# KiCad board reg.kicad_pcb
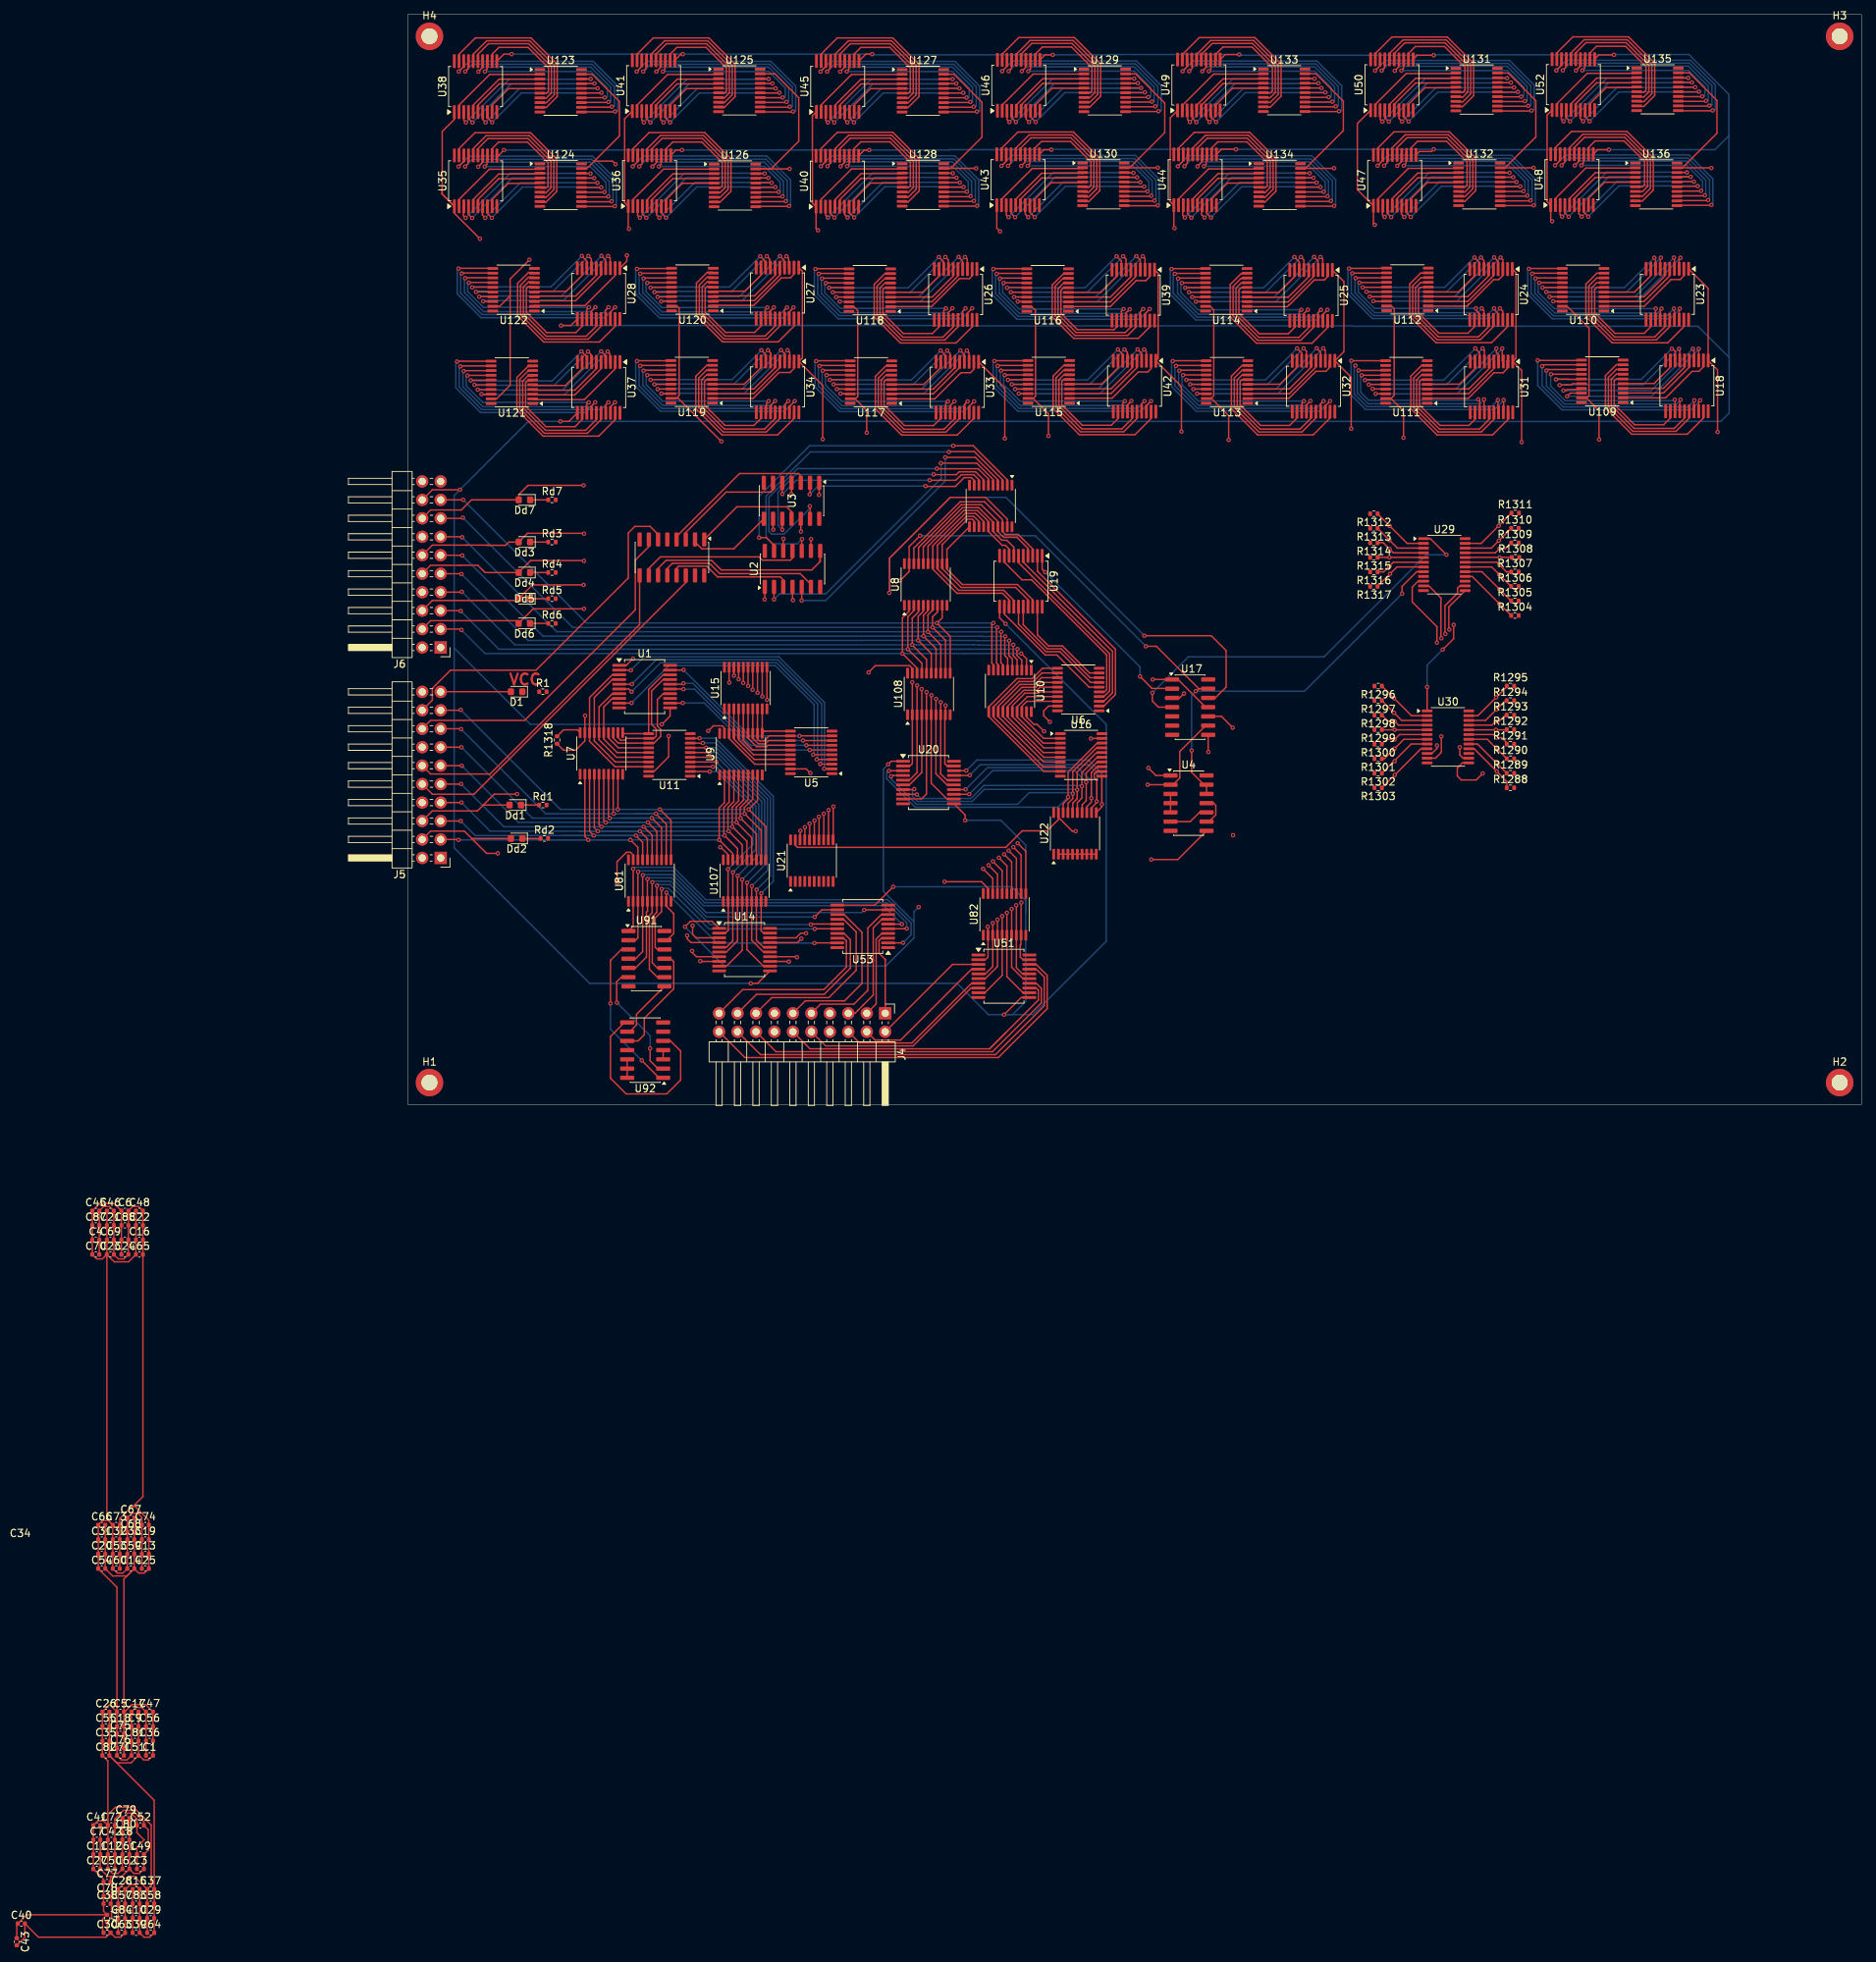
[diagram p0: board, top side]
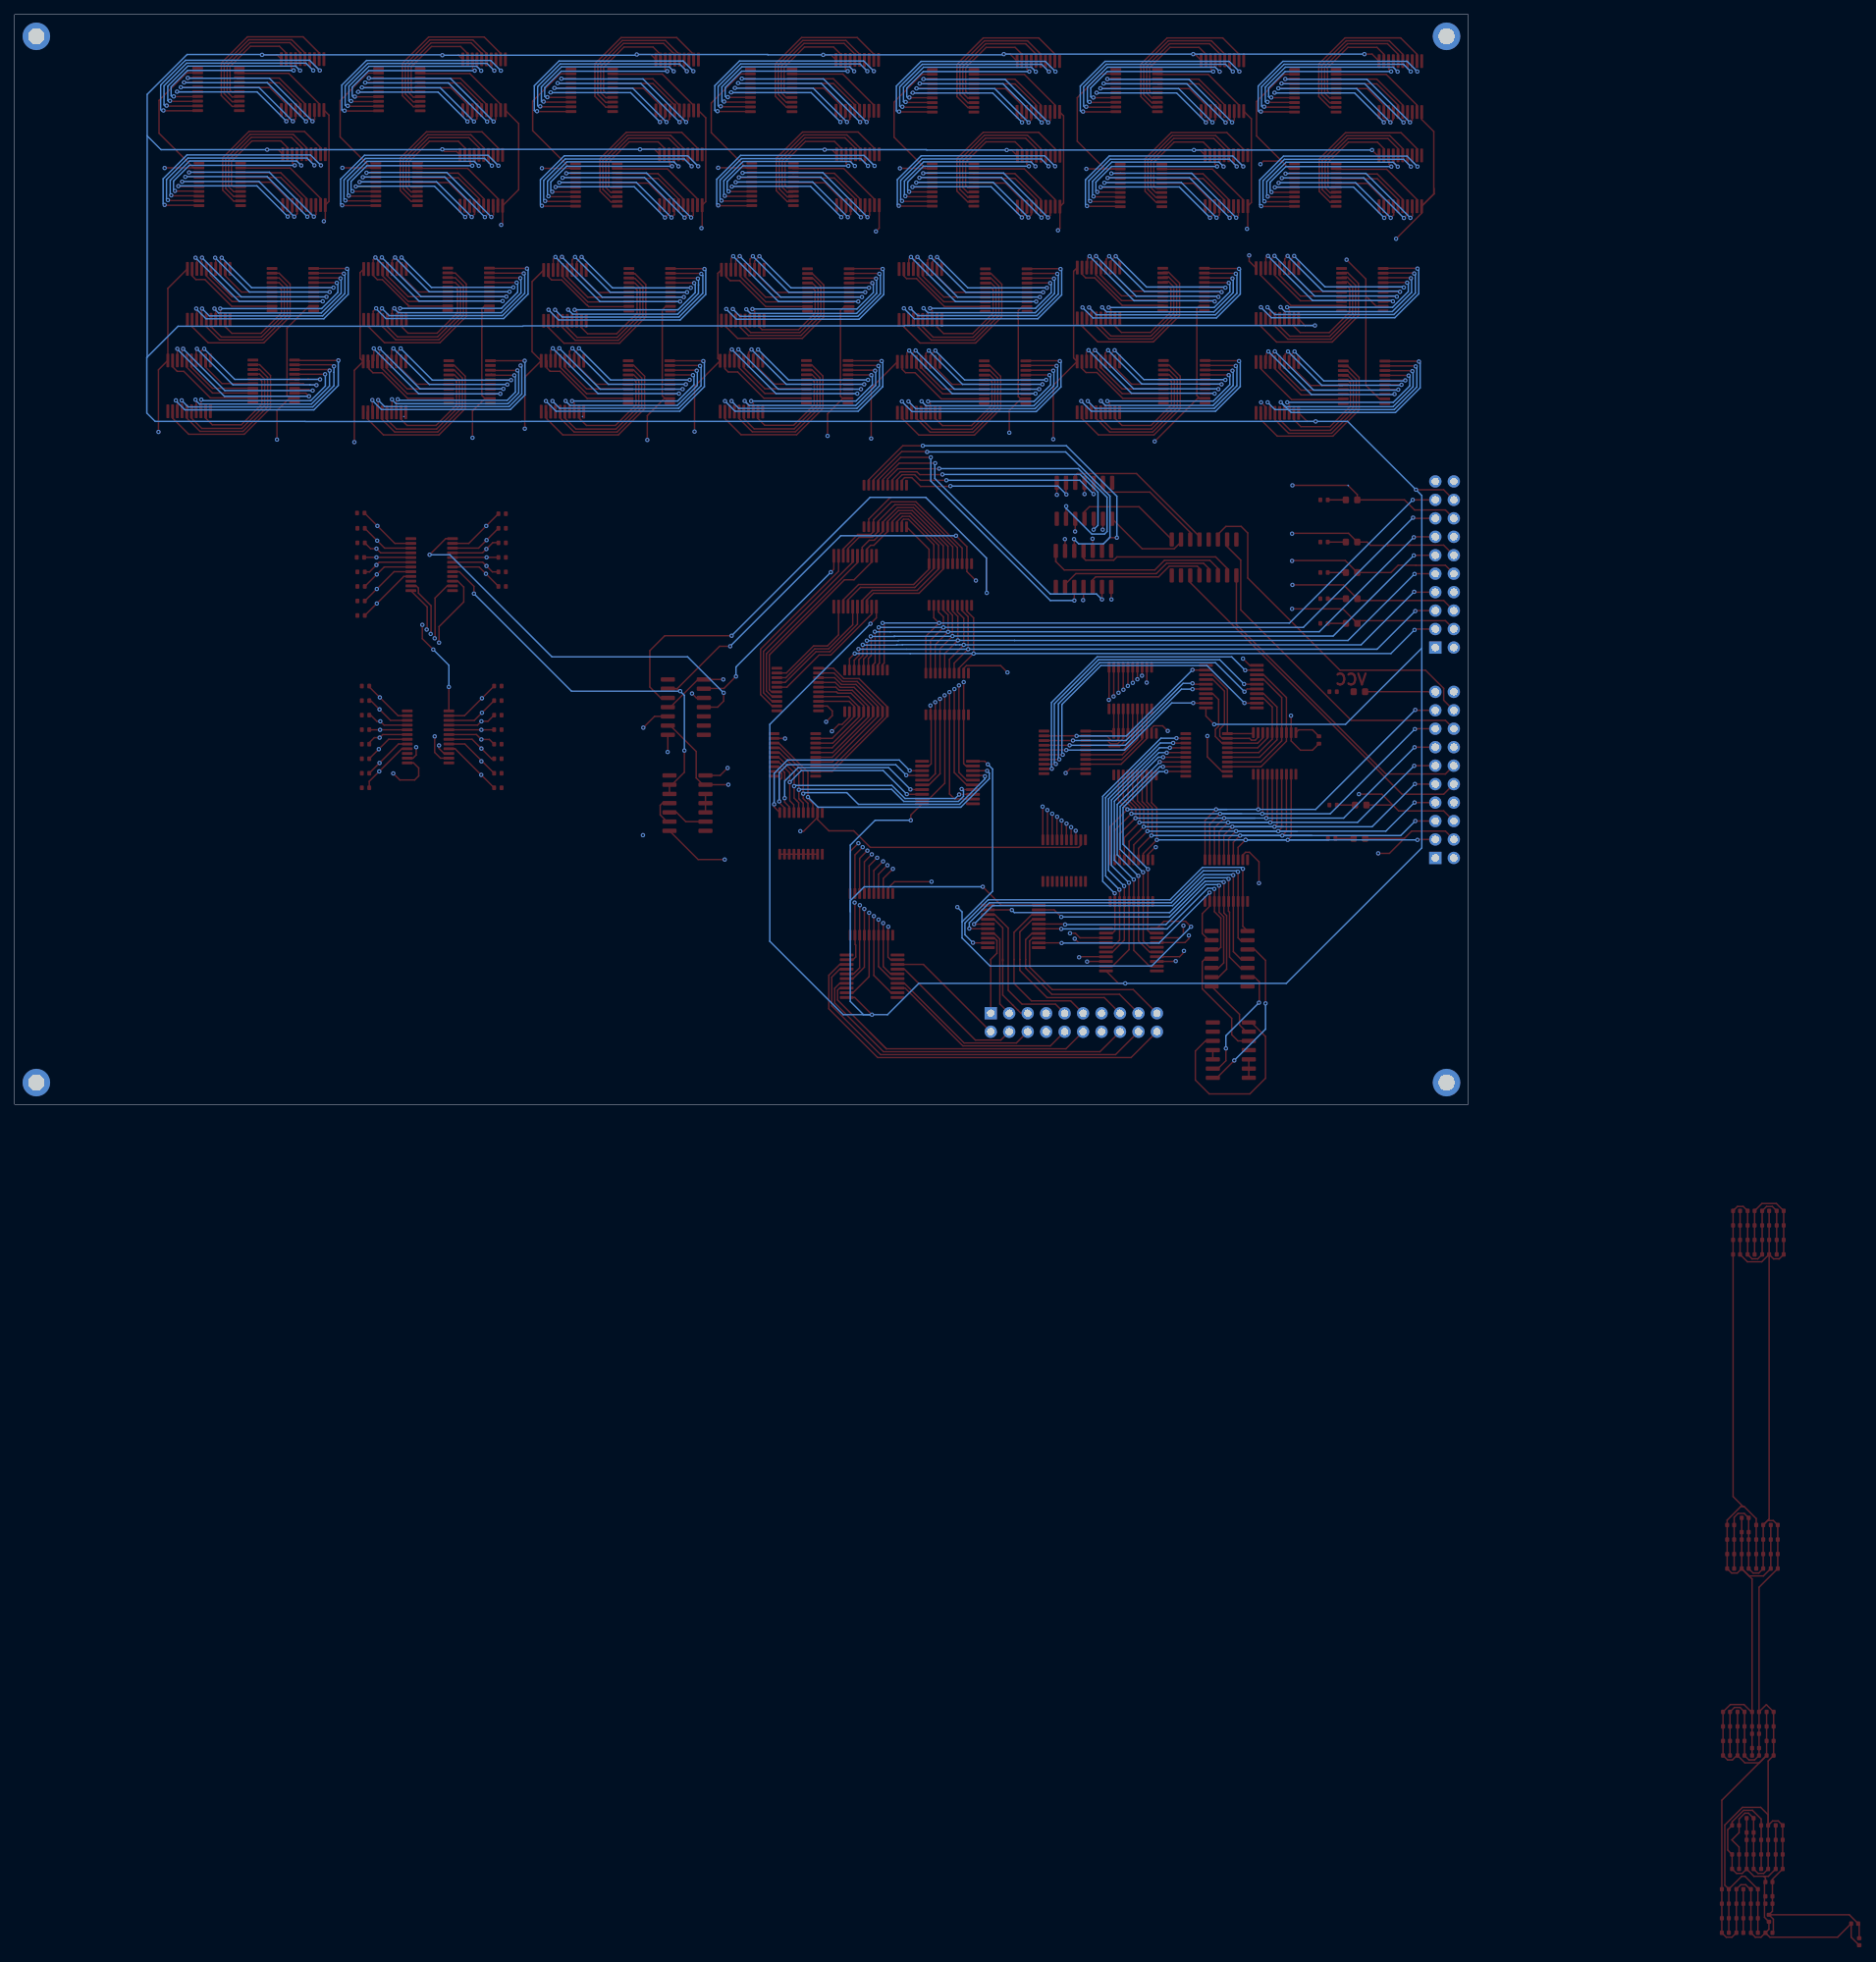
[diagram p1: board, bottom side, seen from below]

Outline 200 x 150 mm; copper layers: Top, In1.Cu, In2.Cu, In3.Cu, In4.Cu, Bottom. Coordinates in mm from the lower left corner of the outline.
Outline path: rectangle 0,150 200,0
Stack: Top 0.035mm / dielectric 0.1mm FR4 er 4.5 / In1.Cu 0.035mm / dielectric 0.535mm FR4 er 4.5 / In2.Cu 0.035mm / dielectric 0.1mm FR4 er 4.5 / In3.Cu 0.035mm / dielectric 0.535mm FR4 er 4.5 / In4.Cu 0.035mm / dielectric 0.1mm FR4 er 4.5 / Bottom 0.035mm

## Placement (name value [footprint] x y rotation side)
C1  100nF  [C_0402_1005Metric]  -35.52 -89.61 0 top
C3  100nF  [C_0402_1005Metric]  -36.77 -105.23 0 top
C4  100nF  [C_0402_1005Metric]  -42.9 -18.65 0 top
C5  100nF  [C_0402_1005Metric]  -39.52 -83.61 0 top
C6  100nF  [C_0402_1005Metric]  -38.9 -14.65 0 top
C7  100nF  [C_0402_1005Metric]  -42.77 -101.23 0 top
C8  100nF  [C_0402_1005Metric]  -38.77 -101.23 0 top
C9  100nF  [C_0402_1005Metric]  -37.52 -85.61 0 top
C10  100nF  [C_0402_1005Metric]  -37.36 -112.01 0 top
C11  100nF  [C_0402_1005Metric]  -42.77 -103.23 0 top
C12  100nF  [C_0402_1005Metric]  -40.77 -103.23 0 top
C13  100nF  [C_0402_1005Metric]  -36.09 -61.89 0 top
C14  100nF  [C_0402_1005Metric]  -38.09 -63.89 0 top
C15  100nF  [C_0402_1005Metric]  -37.36 -108.01 0 top
C16  100nF  [C_0402_1005Metric]  -36.9 -18.65 0 top
C17  100nF  [C_0402_1005Metric]  -37.52 -83.61 0 top
C18  100nF  [C_0402_1005Metric]  -39.52 -85.61 0 top
C19  100nF  [C_0402_1005Metric]  -36.09 -59.89 0 top
C20  100nF  [C_0402_1005Metric]  -42.09 -61.89 0 top
C21  100nF  [C_0402_1005Metric]  -40.9 -16.65 0 top
C22  100nF  [C_0402_1005Metric]  -36.9 -16.65 0 top
C23  100nF  [C_0402_1005Metric]  -40.9 -20.65 0 top
C24  100nF  [C_0402_1005Metric]  -38.9 -20.65 0 top
C25  100nF  [C_0402_1005Metric]  -36.09 -63.89 0 top
C26  100nF  [C_0402_1005Metric]  -41.52 -83.61 0 top
C27  100nF  [C_0402_1005Metric]  -42.77 -105.23 0 top
C28  100nF  [C_0402_1005Metric]  -39.36 -108.01 0 top
C29  100nF  [C_0402_1005Metric]  -35.36 -112.01 0 top
C30  100nF  [C_0402_1005Metric]  -41.36 -114.01 0 top
C31  100nF  [C_0402_1005Metric]  -42.09 -59.89 0 top
C32  100nF  [C_0402_1005Metric]  -40.09 -59.89 0 top
C33  100nF  [C_0402_1005Metric]  -38.09 -59.89 0 top
C34  100nF  [C_0402_1005Metric]  -38.9 -18.65 0 top
C35  100nF  [C_0402_1005Metric]  -41.52 -87.61 0 top
C36  100nF  [C_0402_1005Metric]  -35.52 -87.61 0 top
C37  100nF  [C_0402_1005Metric]  -35.36 -108.01 0 top
C38  100nF  [C_0402_1005Metric]  -41.36 -110.01 0 top
C39  100nF  [C_0402_1005Metric]  -37.36 -114.01 0 top
C40  100nF  [C_0402_1005Metric]  -53.15 -112.75 0 top
C41  100nF  [C_0402_1005Metric]  -42.77 -99.23 0 top
C42  100nF  [C_0402_1005Metric]  -40.77 -101.23 0 top
C43  100nF  [C_0402_1005Metric]  -53.77 -115.25 270 top
C44  100nF  [C_0402_1005Metric]  -41.36 -112.01 270 top
C45  100nF  [C_0402_1005Metric]  -42.9 -14.65 0 top
C46  100nF  [C_0402_1005Metric]  -40.9 -14.65 0 top
C47  100nF  [C_0402_1005Metric]  -35.52 -83.61 0 top
C48  100nF  [C_0402_1005Metric]  -36.9 -14.65 0 top
C49  100nF  [C_0402_1005Metric]  -36.77 -103.23 0 top
C50  100nF  [C_0402_1005Metric]  -40.77 -105.23 0 top
C51  100nF  [C_0402_1005Metric]  -37.52 -89.61 0 top
C52  100nF  [C_0402_1005Metric]  -36.77 -99.23 0 top
C53  100nF  [C_0402_1005Metric]  -40.09 -61.89 0 top
C54  100nF  [C_0402_1005Metric]  -42.09 -63.89 0 top
C55  100nF  [C_0402_1005Metric]  -41.52 -85.61 0 top
C56  100nF  [C_0402_1005Metric]  -35.52 -85.61 0 top
C57  100nF  [C_0402_1005Metric]  -39.36 -110.01 0 top
C58  100nF  [C_0402_1005Metric]  -35.36 -110.01 0 top
C59  100nF  [C_0402_1005Metric]  -38.09 -61.89 0 top
C60  100nF  [C_0402_1005Metric]  -40.09 -63.89 0 top
C61  100nF  [C_0402_1005Metric]  -38.77 -103.23 0 top
C62  100nF  [C_0402_1005Metric]  -38.77 -105.23 0 top
C63  100nF  [C_0402_1005Metric]  -39.36 -114.01 0 top
C64  100nF  [C_0402_1005Metric]  -35.36 -114.01 0 top
C65  100nF  [C_0402_1005Metric]  -36.9 -20.65 0 top
C66  100nF  [C_0402_1005Metric]  -42.09 -57.89 0 top
C67  100nF  [C_0402_1005Metric]  -38.09 -56.91 0 top
C68  100nF  [C_0402_1005Metric]  -38.09 -58.88 0 top
C69  100nF  [C_0402_1005Metric]  -40.9 -18.65 0 top
C70  100nF  [C_0402_1005Metric]  -42.9 -20.65 0 top
C71  100nF  [C_0402_1005Metric]  -39.52 -89.61 0 top
C72  100nF  [C_0402_1005Metric]  -40.77 -99.23 0 top
C73  100nF  [C_0402_1005Metric]  -40.09 -57.89 0 top
C74  100nF  [C_0402_1005Metric]  -36.09 -57.89 0 top
C75  100nF  [C_0402_1005Metric]  -39.52 -86.63 0 top
C76  100nF  [C_0402_1005Metric]  -39.52 -88.6 0 top
C77  100nF  [C_0402_1005Metric]  -41.36 -107.03 0 top
C78  100nF  [C_0402_1005Metric]  -41.36 -109 0 top
C79  100nF  [C_0402_1005Metric]  -38.77 -98.25 0 top
C80  100nF  [C_0402_1005Metric]  -38.77 -100.22 0 top
C81  100nF  [C_0402_1005Metric]  -37.52 -87.61 0 top
C82  100nF  [C_0402_1005Metric]  -41.52 -89.61 0 top
C83  100nF  [C_0402_1005Metric]  -37.36 -110.01 0 top
C84  100nF  [C_0402_1005Metric]  -39.36 -112.01 0 top
C87  100nF  [C_0402_1005Metric]  -42.9 -16.65 0 top
C88  100nF  [C_0402_1005Metric]  -38.9 -16.65 0 top
D1  green  [D_0603_1608Metric]  14.99 56.8 180 top
Dd1  yellow  [LED_0603_1608Metric]  14.8 41.2 180 top
Dd2  yellow  [LED_0603_1608Metric]  14.99 36.6 180 top
Dd3  yellow  [LED_0603_1608Metric]  16.06 77.4 180 top
Dd4  yellow  [LED_0603_1608Metric]  16.06 73.2 180 top
Dd5  yellow  [LED_0603_1608Metric]  16.05 69.6 180 top
Dd6  yellow  [LED_0603_1608Metric]  16.05 66.2 180 top
Dd7  yellow  [LED_0603_1608Metric]  16.06 83.2 180 top
H1  MountingHole_Pad  [MountingHole_2.2mm_M2_DIN965_Pad]  3 3 0 top  (not fitted)
H2  MountingHole_Pad  [MountingHole_2.2mm_M2_DIN965_Pad]  197 3 0 top  (not fitted)
H3  MountingHole_Pad  [MountingHole_2.2mm_M2_DIN965_Pad]  197 147 0 top  (not fitted)
H4  MountingHole_Pad  [MountingHole_2.2mm_M2_DIN965_Pad]  3 147 0 top  (not fitted)
J4  Conn_02x10_Odd_Even  [PinHeader_2x10_P2.54mm_Horizontal]  65.7 12.54 270 top
J5  Conn_02x10_Odd_Even  [PinHeader_2x10_P2.54mm_Horizontal]  4.54 33.92 180 top
J6  Conn_02x10_Odd_Even  [PinHeader_2x10_P2.54mm_Horizontal]  4.54 62.88 180 top
R1  680  [R_0402_1005Metric]  18.6 56.8 0 top
R1288  10k  [R_0402_1005Metric]  151.71 43.58 0 top
R1289  10k  [R_0402_1005Metric]  151.71 45.58 0 top
R1290  10k  [R_0402_1005Metric]  151.71 47.58 0 top
R1291  10k  [R_0402_1005Metric]  151.71 49.58 0 top
R1292  10k  [R_0402_1005Metric]  151.71 51.58 0 top
R1293  10k  [R_0402_1005Metric]  151.71 53.58 0 top
R1294  10k  [R_0402_1005Metric]  151.71 55.58 0 top
R1295  10k  [R_0402_1005Metric]  151.71 57.58 0 top
R1296  10k  [R_0402_1005Metric]  133.51 57.58 180 top
R1297  10k  [R_0402_1005Metric]  133.51 55.58 180 top
R1298  10k  [R_0402_1005Metric]  133.51 53.58 180 top
R1299  10k  [R_0402_1005Metric]  133.51 51.58 180 top
R1300  10k  [R_0402_1005Metric]  133.51 49.58 180 top
R1301  10k  [R_0402_1005Metric]  133.51 47.58 180 top
R1302  10k  [R_0402_1005Metric]  133.51 45.58 180 top
R1303  10k  [R_0402_1005Metric]  133.51 43.58 180 top
R1304  10k  [R_0402_1005Metric]  152.32 67.29 0 top
R1305  10k  [R_0402_1005Metric]  152.32 69.29 0 top
R1306  10k  [R_0402_1005Metric]  152.32 71.29 0 top
R1307  10k  [R_0402_1005Metric]  152.32 73.29 0 top
R1308  10k  [R_0402_1005Metric]  152.41 75.29 0 top
R1309  10k  [R_0402_1005Metric]  152.32 77.29 0 top
R1310  10k  [R_0402_1005Metric]  152.32 79.29 0 top
R1311  10k  [R_0402_1005Metric]  152.37 81.39 0 top
R1312  10k  [R_0402_1005Metric]  132.92 81.29 180 top
R1313  10k  [R_0402_1005Metric]  132.92 79.29 180 top
R1314  10k  [R_0402_1005Metric]  132.92 77.29 180 top
R1315  10k  [R_0402_1005Metric]  132.92 75.29 180 top
R1316  10k  [R_0402_1005Metric]  132.92 73.29 180 top
R1317  10k  [R_0402_1005Metric]  132.92 71.29 180 top
R1318  10k  [R_0402_1005Metric]  20.55 50.15 90 top
Rd1  680  [R_0402_1005Metric]  18.6 41.2 0 top
Rd2  680  [R_0402_1005Metric]  18.8 36.6 0 top
Rd3  680  [R_0402_1005Metric]  19.85 77.4 0 top
Rd4  680  [R_0402_1005Metric]  19.85 73.2 0 top
Rd5  680  [R_0402_1005Metric]  19.85 69.6 0 top
Rd6  680  [R_0402_1005Metric]  19.85 66.2 0 top
Rd7  680  [R_0402_1005Metric]  19.85 83.2 0 top
U1  74377  [SSOP-20_5.3x7.2mm_P0.65mm]  32.6 57.5 0 top
U2  7400  [SO-14_3.9x8.65mm_P1.27mm]  52.94 73.7 90 top
U3  7400  [SO-14_3.9x8.65mm_P1.27mm]  52.81 83.08 270 top
U4  7400  [SO-14_3.9x8.65mm_P1.27mm]  107.42 41.46 0 top
U5  74245  [TSSOP-20_4.4x6.5mm_P0.65mm]  55.51 48.45 180 top
U6  74245  [TSSOP-20_4.4x6.5mm_P0.65mm]  92.26 57.1 180 top
U7  74245  [TSSOP-20_4.4x6.5mm_P0.65mm]  26.65 48.3 90 top
U8  74245  [TSSOP-20_4.4x6.5mm_P0.65mm]  71.26 71.55 90 top
U9  74245  [TSSOP-20_4.4x6.5mm_P0.65mm]  45.85 48.2 90 top
U10  74245  [TSSOP-20_4.4x6.5mm_P0.65mm]  82.86 56.91 270 top
U11  74245  [TSSOP-20_4.4x6.5mm_P0.65mm]  36.01 48.1 180 top
U12  74245  [TSSOP-20_4.4x6.5mm_P0.65mm]  80.21 82.36 270 top
U14  74377  [SSOP-20_5.3x7.2mm_P0.65mm]  46.35 21.3 0 top
U15  74245  [TSSOP-20_4.4x6.5mm_P0.65mm]  46.5 57.3 90 top
U16  74245  [TSSOP-20_4.4x6.5mm_P0.65mm]  92.65 48.1 0 top
U17  7404  [SO-14_3.9x8.65mm_P1.27mm]  107.65 54.67 0 top
U18  74377  [SSOP-20_5.3x7.2mm_P0.65mm]  175.98 98.89 270 top
U19  74377  [SSOP-20_5.3x7.2mm_P0.65mm]  84.36 72 270 top
U20  74377  [SSOP-20_5.3x7.2mm_P0.65mm]  71.65 44.3 0 top
U21  74245  [TSSOP-20_4.4x6.5mm_P0.65mm]  55.6 33.55 90 top
U22  74245  [TSSOP-20_4.4x6.5mm_P0.65mm]  91.8 37.3 90 top
U23  74377  [SSOP-20_5.3x7.2mm_P0.65mm]  173.29 111.5 270 top
U24  74377  [SSOP-20_5.3x7.2mm_P0.65mm]  149.04 111.47 270 top
U25  74377  [SSOP-20_5.3x7.2mm_P0.65mm]  124.28 111.34 270 top
U26  74377  [SSOP-20_5.3x7.2mm_P0.65mm]  75.38 111.47 270 top
U27  74377  [SSOP-20_5.3x7.2mm_P0.65mm]  50.88 111.67 270 top
U28  74377  [SSOP-20_5.3x7.2mm_P0.65mm]  26.27 111.59 270 top
U29  744067  [TSSOP-24_4.4x7.8mm_P0.65mm]  142.61 74.29 0 top
U30  744067  [TSSOP-24_4.4x7.8mm_P0.65mm]  143.11 50.58 0 top
U31  74377  [SSOP-20_5.3x7.2mm_P0.65mm]  149.1 98.75 270 top
U32  74377  [SSOP-20_5.3x7.2mm_P0.65mm]  124.62 98.84 270 top
U33  74377  [SSOP-20_5.3x7.2mm_P0.65mm]  75.61 98.7 270 top
U34  74377  [SSOP-20_5.3x7.2mm_P0.65mm]  50.89 98.75 270 top
U35  74377  [SSOP-20_5.3x7.2mm_P0.65mm]  9.35 127.11 90 top
U36  74377  [SSOP-20_5.3x7.2mm_P0.65mm]  33.27 127.13 90 top
U37  74377  [SSOP-20_5.3x7.2mm_P0.65mm]  26.28 98.67 270 top
U38  74377  [SSOP-20_5.3x7.2mm_P0.65mm]  9.34 140.08 90 top
U39  74377  [SSOP-20_5.3x7.2mm_P0.65mm]  99.82 111.38 270 top
U40  74377  [SSOP-20_5.3x7.2mm_P0.65mm]  59.11 127.06 90 top
U41  74377  [SSOP-20_5.3x7.2mm_P0.65mm]  33.83 140.21 90 top
U42  74377  [SSOP-20_5.3x7.2mm_P0.65mm]  100 98.85 270 top
U43  74377  [SSOP-20_5.3x7.2mm_P0.65mm]  83.97 127.26 90 top
U44  74377  [SSOP-20_5.3x7.2mm_P0.65mm]  108.33 127.25 90 top
U45  74377  [SSOP-20_5.3x7.2mm_P0.65mm]  59.16 140.1 90 top
U46  74377  [SSOP-20_5.3x7.2mm_P0.65mm]  84.06 140.26 90 top
U47  74377  [SSOP-20_5.3x7.2mm_P0.65mm]  135.79 127.18 90 top
U48  74377  [SSOP-20_5.3x7.2mm_P0.65mm]  160.17 127.28 90 top
U49  74377  [SSOP-20_5.3x7.2mm_P0.65mm]  108.84 140.3 90 top
U50  74377  [SSOP-20_5.3x7.2mm_P0.65mm]  135.4 140.33 90 top
U51  74377  [SSOP-20_5.3x7.2mm_P0.65mm]  82.02 17.64 0 top
U52  74377  [SSOP-20_5.3x7.2mm_P0.65mm]  160.37 140.36 90 top
U53  74377  [SSOP-20_5.3x7.2mm_P0.65mm]  62.6 24.5 180 top
U81  74245  [TSSOP-20_4.4x6.5mm_P0.65mm]  33.3 30.8 90 top
U82  74245  [TSSOP-20_4.4x6.5mm_P0.65mm]  82.11 26.15 90 top
U85  74148  [SOIC-16_3.9x9.9mm_P1.27mm]  36.35 75.28 270 top
U91  7408  [SO-14_3.9x8.65mm_P1.27mm]  32.85 20.05 0 top
U92  7408  [SO-14_3.9x8.65mm_P1.27mm]  32.67 7.47 180 top
U107  74245  [TSSOP-20_4.4x6.5mm_P0.65mm]  46.35 30.79 90 top
U108  74245  [TSSOP-20_4.4x6.5mm_P0.65mm]  71.7 56.49 90 top
U109  74245  [TSSOP-20_4.4x6.5mm_P0.65mm]  164.35 99.52 180 top
U110  74245  [TSSOP-20_4.4x6.5mm_P0.65mm]  161.71 112.12 180 top
U111  74245  [TSSOP-20_4.4x6.5mm_P0.65mm]  137.4 99.42 180 top
U112  74245  [TSSOP-20_4.4x6.5mm_P0.65mm]  137.54 112.17 180 top
U113  74245  [TSSOP-20_4.4x6.5mm_P0.65mm]  112.72 99.42 180 top
U114  74245  [TSSOP-20_4.4x6.5mm_P0.65mm]  112.62 112.12 180 top
U115  74245  [TSSOP-20_4.4x6.5mm_P0.65mm]  88.2 99.45 180 top
U116  74245  [TSSOP-20_4.4x6.5mm_P0.65mm]  88.05 112.08 180 top
U117  74245  [TSSOP-20_4.4x6.5mm_P0.65mm]  63.74 99.4 180 top
U118  74245  [TSSOP-20_4.4x6.5mm_P0.65mm]  63.58 112.07 180 top
U119  74245  [TSSOP-20_4.4x6.5mm_P0.65mm]  39.08 99.45 180 top
U120  74245  [TSSOP-20_4.4x6.5mm_P0.65mm]  39.18 112.15 180 top
U121  74245  [TSSOP-20_4.4x6.5mm_P0.65mm]  14.34 99.38 180 top
U122  74245  [TSSOP-20_4.4x6.5mm_P0.65mm]  14.58 112.12 180 top
U123  74245  [TSSOP-20_4.4x6.5mm_P0.65mm]  21.05 139.51 0 top
U124  74245  [TSSOP-20_4.4x6.5mm_P0.65mm]  21.05 126.53 0 top
U125  74245  [TSSOP-20_4.4x6.5mm_P0.65mm]  45.63 139.56 0 top
U126  74245  [TSSOP-20_4.4x6.5mm_P0.65mm]  45.02 126.48 0 top
U127  74245  [TSSOP-20_4.4x6.5mm_P0.65mm]  70.88 139.5 0 top
U128  74245  [TSSOP-20_4.4x6.5mm_P0.65mm]  70.89 126.56 0 top
U129  74245  [TSSOP-20_4.4x6.5mm_P0.65mm]  95.9 139.56 0 top
U130  74245  [TSSOP-20_4.4x6.5mm_P0.65mm]  95.71 126.63 0 top
U131  74245  [TSSOP-20_4.4x6.5mm_P0.65mm]  147.06 139.68 0 top
U132  74245  [TSSOP-20_4.4x6.5mm_P0.65mm]  147.44 126.63 0 top
U133  74245  [TSSOP-20_4.4x6.5mm_P0.65mm]  120.58 139.58 0 top
U134  74245  [TSSOP-20_4.4x6.5mm_P0.65mm]  119.96 126.55 0 top
U135  74245  [TSSOP-20_4.4x6.5mm_P0.65mm]  171.94 139.71 0 top
U136  74245  [TSSOP-20_4.4x6.5mm_P0.65mm]  171.76 126.63 0 top

## Library data of the parts
C1 C3-C84 C87 C88 = -: Datasheet: https://www.tme.eu/pl/details/cs1005x7r104k100nr/kondensatory-mlcc-smd/samwha/; Description: Unpolarized capacitor; ki_fp_filters: C_*
D1 = -: Datasheet: https://www.tme.eu/pl/details/ltst-c190kgkt/diody-led-smd-kolorowe/liteon/; Description: Light emitting diode; Sim.Pins: 1=K 2=A; ki_fp_filters: LED* LED_SMD:* LED_THT:*
Dd1-Dd7 = -: Datasheet: https://www.tme.eu/pl/details/ll-s192uyc-y2-1b/diody-led-smd-kolorowe/luckylight/; Description: Light emitting diode; Sim.Pins: 1=K 2=A; ki_fp_filters: LED* LED_SMD:* LED_THT:*
H1-H4 = -: Description: Mounting Hole with connection; ki_fp_filters: MountingHole*Pad*
J4-J6 = -: Datasheet: find to buy; Description: Generic connector, double row, 02x10, odd/even pin numbering scheme (row 1 odd numbers, row 2 even numbers), script generated (kicad-library-utils/schlib/autogen/connector/); ki_fp_filters: Connector*:*_2x??_*
R1 Rd1-Rd7 = -: Datasheet: https://www.tme.eu/pl/details/rc0402fr-07680rl/rezystory-smd/yageo/; Description: Resistor; ki_fp_filters: R_*
R1288-R1310 R1312-R1318 = -: Datasheet: https://www.tme.eu/pl/details/rc0402jr-0710k/rezystory-smd/yageo/rc0402jr-0710kl/; Description: Resistor; ki_fp_filters: R_*
R1311 = -: Datasheet: https://www.tme.eu/pl/details/rc0402jr-0710k/rezystory-smd/yageo/rc0402jr-0710kl/; Description: Resistor; KiLib_Generator: SMD_2terminal_chip_molded; ki_fp_filters: R_*
U1 U18-U20 U23-U28 U31-U53 = -: Datasheet: https://www.tme.eu/pl/details/74hc377db.118/przerzutniki/nexperia/74hc377db-118/,https://www.tme.eu/pl/en/details/74hc377db.118/flip-flops/nexperia/74hc377db-118/; Description: 8-bit Register; ki_fp_filters: DIP?20*
U2-U4 = -: Datasheet: https://www.tme.eu/pl/details/sn74hc00dr/bramki-inwertery/texas-instruments/; Description: quad 2-input NAND gate; ki_fp_filters: DIP*W7.62mm* SO14*
U5-U12 U15 U16 U21 U22 U81 U82 U108-U136 = -: Datasheet: https://www.tme.eu/en/details/74hc245pw.118/buffers-transceivers-drivers/nexperia/74hc245pw-118/; Description: Octal BUS Transceivers, 3-State outputs; ki_fp_filters: DIP?20*
U14 = -: Datasheet: https://www.tme.eu/pl/details/74hc377db.118/przerzutniki/nexperia/74hc377db-118/,https://www.tme.eu/pl/en/details/74hc377db.118/flip-flops/nexperia/74hc377db-118/; Description: 8-bit Register; KiLib_Generator: package/gullwing; ki_fp_filters: DIP?20*
U17 = -: Datasheet: https://www.tme.eu/pl/details/74hc04d.653/bramki-inwertery/nexperia/74hc04d-653/; Description: Hex Inverter; ki_fp_filters: DIP*W7.62mm* SSOP?14* TSSOP?14*
U29 U30 = -: Datasheet: https://www.tme.eu/pl/details/74hc4067pw.118/dekodery-multipleksery-przelaczniki/nexperia/74hc4067pw-118/; Description: High-Speed CMOS Logic 16-Channel Analog Multiplexer/Demultiplexer, SOIC-24; ki_fp_filters: SOIC*W*7.5x15.4mm*P1.27mm*
U85 = -: Datasheet: https://www.tme.eu/pl/details/sn74hc148dr/dekodery-multipleksery-przelaczniki/texas-instruments/
U91 U92 = -: Datasheet: https://www.tme.eu/pl/details/74hc08d.653/bramki-inwertery/nexperia/74hc08d-653/; Description: Quad And2; ki_fp_filters: DIP*W7.62mm*
U107 = -: Datasheet: https://www.tme.eu/en/details/74hc245pw.118/buffers-transceivers-drivers/nexperia/74hc245pw-118/; Description: Octal BUS Transceivers, 3-State outputs; KiLib_Generator: package/gullwing; ki_fp_filters: DIP?20*
